# Altium PCB ESP32_Demo.PcbDoc (part 4 of 7)
Units mil, origin at the board's own origin, x right, y up, seen from the top; angles counter-clockwise.
Board outline 940.03 x 1085.03 mil, 4 copper layers (TOP1, GND02, MidLayer3, BOTTOM4); 39 components, 58 nets, 242 pads, 201 vias.
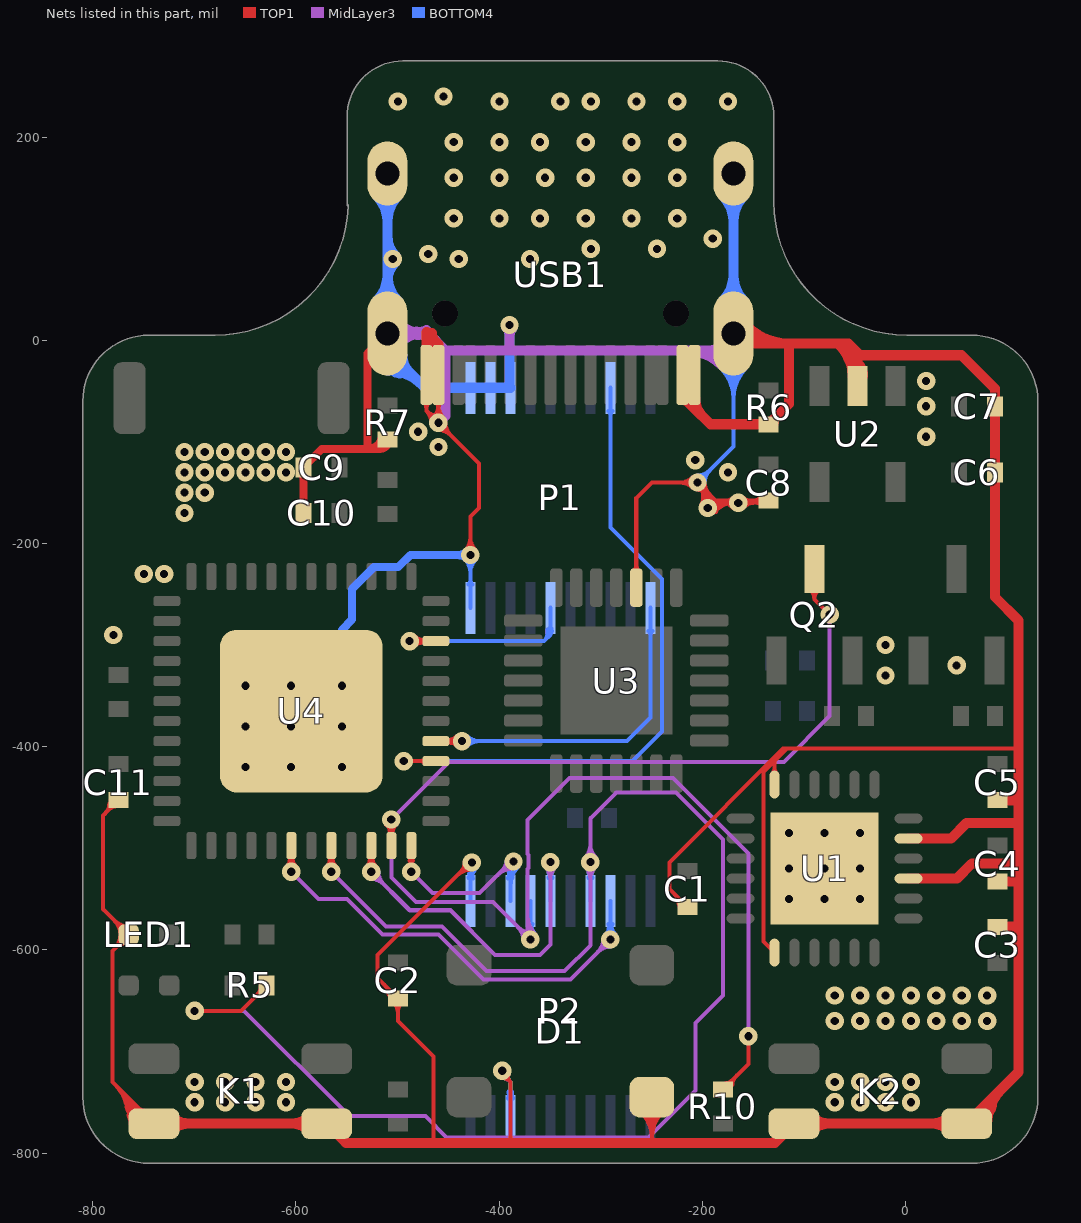
[diagram p6: the nets of this part, all layers, seen from the top]

## Via types
v1: diameter 18, hole 8, TOP1 to BOTTOM4, tented both sides, 201 vias

## Nets (pads, with @x,y where several pads share a name; then routed paths per layer and width w, separated by ;. In a path a pad name is that pad's centre, name@x,y a point inside that pad or via, vN(x,y) a via of type N, cw(c..) or ccw(c..) an arc to the next point about the centre after c; other vN are vias at no path point) (continued)
GND: (continued)
  MidLayer3 w8: v1(-649.77,-420) v1(-604.77,-420) v1(-554.77,-420) ; v1(-649.77,-380) v1(-604.77,-380) v1(-554.77,-380) ; v1(-649.77,-340) v1(-604.77,-340) v1(-554.77,-340) ; v1@-646.24,-423.54 cw(c-637.7,-432.07) -637.7,-420 cw(c-637.7,-407.93) v1@-646.24,-416.46 ; v1@-646.24,-383.54 cw(c-637.7,-392.07) -637.7,-380 cw(c-637.7,-367.93) v1@-646.24,-376.46 ; v1@-646.24,-343.54 cw(c-637.7,-352.07) -637.7,-340 cw(c-637.7,-327.93) v1@-646.24,-336.46 ; v1@-608.31,-423.54 ccw(c-616.84,-432.07) -616.84,-420 ccw(c-616.84,-407.93) v1@-608.31,-416.46 ; v1@-608.31,-383.54 ccw(c-616.84,-392.07) -616.84,-380 ccw(c-616.84,-367.93) v1@-608.31,-376.46 ; v1@-608.31,-343.54 ccw(c-616.84,-352.07) -616.84,-340 ccw(c-616.84,-327.93) v1@-608.31,-336.46 ; v1@-601.24,-423.54 cw(c-592.7,-432.07) -592.7,-420 cw(c-592.7,-407.93) v1@-601.24,-416.46 ; v1@-601.24,-383.54 cw(c-592.7,-392.07) -592.7,-380 cw(c-592.7,-367.93) v1@-601.24,-376.46 ; v1@-601.24,-343.54 cw(c-592.7,-352.07) -592.7,-340 cw(c-592.7,-327.93) v1@-601.24,-336.46 ; v1@-558.31,-423.54 ccw(c-566.84,-432.07) -566.84,-420 ccw(c-566.84,-407.93) v1@-558.31,-416.46 ; v1@-558.31,-383.54 ccw(c-566.84,-392.07) -566.84,-380 ccw(c-566.84,-367.93) v1@-558.31,-376.46 ; v1@-558.31,-343.54 ccw(c-566.84,-352.07) -566.84,-340 ccw(c-566.84,-327.93) v1@-558.31,-336.46
  MidLayer3 w10: USB1.4@-509.82,6.96 -469.86,6.96 -452.91,-10 ; v1@-462.68,-78.41 ccw(c-486.27,-54.81) -452.91,-54.81 ; v1(-459.85,-81.24) -452.91,-74.29 -452.91,-10 ; v1@-392.6,12.17 cw(c-399.43,5.34) -389.77,5.34 cw(c-380.12,5.34) v1@-386.94,12.17 ; v1(-389.77,15) -389.77,-10 ; USB1.3@-169.5,6.73 -186.23,-10 -389.77,-10 ; USB1.4@-499.66,-3.65 cw(c-474.06,-29.26) -474.06,6.96 ; USB1.4@-499.66,-3.65 cw(c-474.06,-29.26) -474.06,6.96 ; USB1.4@-499.66,-3.65 cw(c-474.06,-29.26) -474.06,6.96 ; USB1.4@-499.66,-3.65 cw(c-474.06,-29.26) -474.06,6.96 ; USB1.4@-499.66,-3.65 cw(c-474.06,-29.26) -474.06,6.96 ; USB1.4@-499.66,-3.65 cw(c-474.06,-29.26) -474.06,6.96 ; USB1.4@-499.66,17.12 ccw(c-475.13,41.65) -475.13,6.96 ; USB1.4@-499.66,17.12 ccw(c-475.13,41.65) -475.13,6.96 ; USB1.4@-499.66,17.12 ccw(c-475.13,41.65) -475.13,6.96 ; USB1.4@-499.66,17.12 ccw(c-475.13,41.65) -475.13,6.96 ; USB1.4@-499.66,17.12 ccw(c-475.13,41.65) -475.13,6.96 ; USB1.4@-499.66,17.12 ccw(c-475.13,41.65) -475.13,6.96 ; -481.56,8.68 ccw(c-478.17,21.34) -471.61,9.99 ; -481.56,8.68 ccw(c-478.17,21.34) -471.61,9.99 ; -481.56,8.68 ccw(c-478.17,21.34) -471.61,9.99 ; -481.56,8.68 ccw(c-478.17,21.34) -471.61,9.99 ; -481.56,8.68 ccw(c-478.17,21.34) -471.61,9.99 ; -481.56,8.68 ccw(c-478.17,21.34) -471.61,9.99 ; -480.84,5.14 cw(c-477.69,-6.6) -471.61,3.92 ; -480.84,5.14 cw(c-477.69,-6.6) -471.61,3.92 ; -480.84,5.14 cw(c-477.69,-6.6) -471.61,3.92 ; -480.84,5.14 cw(c-477.69,-6.6) -471.61,3.92 ; -480.84,5.14 cw(c-477.69,-6.6) -471.61,3.92 ; -480.84,5.14 cw(c-477.69,-6.6) -471.61,3.92 ; -452.91,-10 -389.77,-10 ; -216.83,-10 cw(c-216.83,-62.26) USB1.3@-179.88,-25.31 ; -216.83,-10 cw(c-216.83,-62.26) USB1.3@-179.88,-25.31 ; -216.83,-10 cw(c-216.83,-62.26) USB1.3@-179.88,-25.31 ; -216.83,-10 cw(c-216.83,-62.26) USB1.3@-179.88,-25.31 ; -216.83,-10 cw(c-216.83,-62.26) USB1.3@-179.88,-25.31 ; -216.83,-10 cw(c-216.83,-62.26) USB1.3@-179.88,-25.31 ; -193.07,-10 ccw(c-193.07,8.65) USB1.3@-179.88,-4.54 ; -193.07,-10 ccw(c-193.07,8.65) USB1.3@-179.88,-4.54 ; -193.07,-10 ccw(c-193.07,8.65) USB1.3@-179.88,-4.54 ; -193.07,-10 ccw(c-193.07,8.65) USB1.3@-179.88,-4.54 ; -193.07,-10 ccw(c-193.07,8.65) USB1.3@-179.88,-4.54 ; -193.07,-10 ccw(c-193.07,8.65) USB1.3@-179.88,-4.54 ; -192.69,-10 cw(c-192.69,-38.11) USB1.3@-172.81,-18.23 ; -192.69,-10 cw(c-192.69,-38.11) USB1.3@-172.81,-18.23 ; -192.69,-10 cw(c-192.69,-38.11) USB1.3@-172.81,-18.23 ; -192.69,-10 cw(c-192.69,-38.11) USB1.3@-172.81,-18.23 ; -192.69,-10 cw(c-192.69,-38.11) USB1.3@-172.81,-18.23 ; -192.69,-10 cw(c-192.69,-38.11) USB1.3@-172.81,-18.23
  BOTTOM4 w4: v1@-433.3,-216.37 cw(c-445.25,-228.32) -428.35,-228.32 cw(c-411.46,-228.32) v1@-423.41,-216.37 ; v1@-431.84,-518.89 cw(c-440.24,-527.29) P2.11@-428.36,-527.29 ; P2.11@-430.42,-529 ccw(c-435.41,-524.01) -428.36,-524.01 ccw(c-421.3,-524.01) P2.11@-426.29,-529 ; P2.11@-428.36,-551.73 -428.36,-513.64 -428.05,-513.94 v1(-426.89,-513.94) ; P2.11@-428.36,-534.39 cw(c-406.44,-534.39) v1@-421.94,-518.89 ; -428.36,-524.73 cw(c-416.1,-524.73) v1@-424.76,-516.06 ; P1.10@-428.35,-263.27 v1(-428.35,-211.42) ; P2.11@-426.24,-526.48 ccw(c-422.26,-527.55) P2.11@-425.83,-529.6 ; v1@-397,-726 cw(c-397,-735.27) -390.45,-728.71 ; v1(-397,-719) -397,-722.16 -388.98,-730.18 ; -390.76,-740.44 cw(c-398.02,-742.38) P2.8@-391.51,-746.14 ; -390.6,-741.07 ccw(c-384.23,-739.36) P2.8@-387.52,-745.07 ; v1@-390.58,-721.79 ccw(c-383.62,-724.81) -388.99,-730.18 ; P2.8@-388.98,-768.27 -388.98,-730.18 ; -387.37,-741.07 cw(c-393.74,-739.36) P2.8@-390.45,-745.07 ; -387.21,-740.44 ccw(c-379.95,-742.38) P2.8@-386.45,-746.14 ; v1(-204.77,-140) -169.5,-104.72 USB1.3@-169.5,6.73 ; v1@-204.77,-133 ccw(c-204.77,-116.1) -192.82,-128.05 ccw(c-180.87,-140) v1@-197.77,-140 ; P1.10@-430.42,-240.53 ccw(c-435.41,-235.55) -428.35,-235.55 ; P1.10@-430.42,-240.53 ccw(c-435.41,-235.55) -428.35,-235.55 ; P1.10@-430.42,-240.53 ccw(c-435.41,-235.55) -428.35,-235.55 ; P1.10@-430.42,-240.53 ccw(c-435.41,-235.55) -428.35,-235.55 ; P1.10@-430.42,-240.53 ccw(c-435.41,-235.55) -428.35,-235.55 ; P1.10@-430.42,-240.53 ccw(c-435.41,-235.55) -428.35,-235.55 ; P2.11@-429.82,-528.53 ccw(c-432.58,-523.75) -427.24,-525.18 ; P2.11@-429.82,-528.53 ccw(c-432.58,-523.75) -427.24,-525.18 ; P2.11@-429.82,-528.53 ccw(c-432.58,-523.75) -427.24,-525.18 ; P2.11@-429.82,-528.53 ccw(c-432.58,-523.75) -427.24,-525.18 ; P2.11@-429.82,-528.53 ccw(c-432.58,-523.75) -427.24,-525.18 ; P2.11@-429.82,-528.53 ccw(c-432.58,-523.75) -427.24,-525.18 ; P2.11@-429.82,-528.53 ccw(c-432.58,-523.75) -427.24,-525.18 ; P2.11@-429.82,-528.53 ccw(c-432.58,-523.75) -427.24,-525.18 ; P2.11@-429.82,-528.53 ccw(c-432.58,-523.75) -427.24,-525.18 ; -429.47,-525.18 ccw(c-424.13,-523.75) P2.11@-426.89,-528.53 ; -429.47,-525.18 ccw(c-424.13,-523.75) P2.11@-426.89,-528.53 ; -429.47,-525.18 ccw(c-424.13,-523.75) P2.11@-426.89,-528.53 ; -429.47,-525.18 ccw(c-424.13,-523.75) P2.11@-426.89,-528.53 ; -429.47,-525.18 ccw(c-424.13,-523.75) P2.11@-426.89,-528.53 ; -429.47,-525.18 ccw(c-424.13,-523.75) P2.11@-426.89,-528.53 ; -429.47,-525.18 ccw(c-424.13,-523.75) P2.11@-426.89,-528.53 ; -429.47,-525.18 ccw(c-424.13,-523.75) P2.11@-426.89,-528.53 ; -429.47,-525.18 ccw(c-424.13,-523.75) P2.11@-426.89,-528.53 ; -428.35,-235.55 ccw(c-421.3,-235.55) P1.10@-426.29,-240.53 ; -428.35,-235.55 ccw(c-421.3,-235.55) P1.10@-426.29,-240.53 ; -428.35,-235.55 ccw(c-421.3,-235.55) P1.10@-426.29,-240.53 ; -428.35,-235.55 ccw(c-421.3,-235.55) P1.10@-426.29,-240.53 ; -428.35,-235.55 ccw(c-421.3,-235.55) P1.10@-426.29,-240.53 ; -428.35,-235.55 ccw(c-421.3,-235.55) P1.10@-426.29,-240.53 ; P2.8@-391.51,-746.14 ccw(c-398.95,-741.85) -390.66,-739.63 ; P2.8@-391.51,-746.14 ccw(c-398.95,-741.85) -390.66,-739.63 ; P2.8@-391.51,-746.14 ccw(c-398.95,-741.85) -390.66,-739.63 ; P2.8@-391.51,-746.14 ccw(c-398.95,-741.85) -390.66,-739.63 ; P2.8@-391.51,-746.14 ccw(c-398.95,-741.85) -390.66,-739.63 ; P2.8@-391.51,-746.14 ccw(c-398.95,-741.85) -390.66,-739.63 ; P2.8@-391.51,-746.14 ccw(c-398.95,-741.85) -390.66,-739.63 ; P2.8@-391.05,-745.53 ccw(c-396.04,-740.55) -388.98,-740.55 ; P2.8@-391.05,-745.53 ccw(c-396.04,-740.55) -388.98,-740.55 ; P2.8@-391.05,-745.53 ccw(c-396.04,-740.55) -388.98,-740.55 ; P2.8@-391.05,-745.53 ccw(c-396.04,-740.55) -388.98,-740.55 ; P2.8@-391.05,-745.53 ccw(c-396.04,-740.55) -388.98,-740.55 ; P2.8@-391.05,-745.53 ccw(c-396.04,-740.55) -388.98,-740.55 ; P2.8@-390.45,-745.07 ccw(c-393.21,-740.28) -387.87,-741.71 ; P2.8@-390.45,-745.07 ccw(c-393.21,-740.28) -387.87,-741.71 ; P2.8@-390.45,-745.07 ccw(c-393.21,-740.28) -387.87,-741.71 ; P2.8@-390.45,-745.07 ccw(c-393.21,-740.28) -387.87,-741.71 ; P2.8@-390.45,-745.07 ccw(c-393.21,-740.28) -387.87,-741.71 ; P2.8@-390.45,-745.07 ccw(c-393.21,-740.28) -387.87,-741.71 ; P2.8@-390.45,-745.07 ccw(c-393.21,-740.28) -387.87,-741.71 ; P2.8@-390.45,-745.07 ccw(c-393.21,-740.28) -387.87,-741.71 ; P2.8@-390.45,-745.07 ccw(c-393.21,-740.28) -387.87,-741.71 ; -390.1,-741.71 ccw(c-384.76,-740.28) P2.8@-387.52,-745.07 ; -390.1,-741.71 ccw(c-384.76,-740.28) P2.8@-387.52,-745.07 ; -390.1,-741.71 ccw(c-384.76,-740.28) P2.8@-387.52,-745.07 ; -390.1,-741.71 ccw(c-384.76,-740.28) P2.8@-387.52,-745.07 ; -390.1,-741.71 ccw(c-384.76,-740.28) P2.8@-387.52,-745.07 ; -390.1,-741.71 ccw(c-384.76,-740.28) P2.8@-387.52,-745.07 ; -390.1,-741.71 ccw(c-384.76,-740.28) P2.8@-387.52,-745.07 ; -390.1,-741.71 ccw(c-384.76,-740.28) P2.8@-387.52,-745.07 ; -388.98,-740.55 ccw(c-381.93,-740.55) P2.8@-386.92,-745.53 ; -388.98,-740.55 ccw(c-381.93,-740.55) P2.8@-386.92,-745.53 ; -388.98,-740.55 ccw(c-381.93,-740.55) P2.8@-386.92,-745.53 ; -388.98,-740.55 ccw(c-381.93,-740.55) P2.8@-386.92,-745.53 ; -388.98,-740.55 ccw(c-381.93,-740.55) P2.8@-386.92,-745.53 ; -388.98,-740.55 ccw(c-381.93,-740.55) P2.8@-386.92,-745.53 ; -387.31,-739.63 ccw(c-379.02,-741.85) P2.8@-386.45,-746.14 ; -387.31,-739.63 ccw(c-379.02,-741.85) P2.8@-386.45,-746.14 ; -387.31,-739.63 ccw(c-379.02,-741.85) P2.8@-386.45,-746.14 ; -387.31,-739.63 ccw(c-379.02,-741.85) P2.8@-386.45,-746.14 ; -387.31,-739.63 ccw(c-379.02,-741.85) P2.8@-386.45,-746.14 ; -387.31,-739.63 ccw(c-379.02,-741.85) P2.8@-386.45,-746.14 ; -387.31,-739.63 ccw(c-379.02,-741.85) P2.8@-386.45,-746.14 ; -387.31,-739.63 ccw(c-379.02,-741.85) P2.8@-386.45,-746.14 ; -387.31,-739.63 ccw(c-379.02,-741.85) P2.8@-386.45,-746.14 ; USB1.3@-182,-27.43 cw(c-212.19,-57.62) -169.5,-57.62 ; USB1.3@-182,-27.43 cw(c-212.19,-57.62) -169.5,-57.62 ; USB1.3@-182,-27.43 cw(c-212.19,-57.62) -169.5,-57.62 ; USB1.3@-182,-27.43 cw(c-212.19,-57.62) -169.5,-57.62 ; USB1.3@-182,-27.43 cw(c-212.19,-57.62) -169.5,-57.62 ; USB1.3@-182,-27.43 cw(c-212.19,-57.62) -169.5,-57.62 ; USB1.3@-179.17,-24.6 cw(c-202.54,-47.96) -169.5,-47.96 ; USB1.3@-179.17,-24.6 cw(c-202.54,-47.96) -169.5,-47.96 ; USB1.3@-179.17,-24.6 cw(c-202.54,-47.96) -169.5,-47.96 ; USB1.3@-179.17,-24.6 cw(c-202.54,-47.96) -169.5,-47.96 ; USB1.3@-179.17,-24.6 cw(c-202.54,-47.96) -169.5,-47.96 ; USB1.3@-179.17,-24.6 cw(c-202.54,-47.96) -169.5,-47.96 ; USB1.3@-176.35,-21.77 cw(c-192.88,-38.3) -169.5,-38.3 ; USB1.3@-176.35,-21.77 cw(c-192.88,-38.3) -169.5,-38.3 ; USB1.3@-176.35,-21.77 cw(c-192.88,-38.3) -169.5,-38.3 ; USB1.3@-176.35,-21.77 cw(c-192.88,-38.3) -169.5,-38.3 ; USB1.3@-176.35,-21.77 cw(c-192.88,-38.3) -169.5,-38.3 ; USB1.3@-176.35,-21.77 cw(c-192.88,-38.3) -169.5,-38.3 ; -169.5,-57.62 cw(c-126.8,-57.62) USB1.3@-156.99,-27.43 ; -169.5,-57.62 cw(c-126.8,-57.62) USB1.3@-156.99,-27.43 ; -169.5,-57.62 cw(c-126.8,-57.62) USB1.3@-156.99,-27.43 ; -169.5,-57.62 cw(c-126.8,-57.62) USB1.3@-156.99,-27.43 ; -169.5,-57.62 cw(c-126.8,-57.62) USB1.3@-156.99,-27.43 ; -169.5,-57.62 cw(c-126.8,-57.62) USB1.3@-156.99,-27.43 ; -169.5,-47.96 cw(c-136.46,-47.96) USB1.3@-159.82,-24.6 ; -169.5,-47.96 cw(c-136.46,-47.96) USB1.3@-159.82,-24.6 ; -169.5,-47.96 cw(c-136.46,-47.96) USB1.3@-159.82,-24.6 ; -169.5,-47.96 cw(c-136.46,-47.96) USB1.3@-159.82,-24.6 ; -169.5,-47.96 cw(c-136.46,-47.96) USB1.3@-159.82,-24.6 ; -169.5,-47.96 cw(c-136.46,-47.96) USB1.3@-159.82,-24.6 ; -169.5,-38.3 cw(c-146.12,-38.3) USB1.3@-162.65,-21.77 ; -169.5,-38.3 cw(c-146.12,-38.3) USB1.3@-162.65,-21.77 ; -169.5,-38.3 cw(c-146.12,-38.3) USB1.3@-162.65,-21.77 ; -169.5,-38.3 cw(c-146.12,-38.3) USB1.3@-162.65,-21.77 ; -169.5,-38.3 cw(c-146.12,-38.3) USB1.3@-162.65,-21.77 ; -169.5,-38.3 cw(c-146.12,-38.3) USB1.3@-162.65,-21.77
  BOTTOM4 w8: v1@-558.31,-416.46 ccw(c-566.84,-407.93) -554.77,-407.93 ccw(c-542.7,-407.93) v1@-551.24,-416.46 ; v1@-558.31,-383.54 cw(c-566.84,-392.07) -554.77,-392.07 cw(c-542.7,-392.07) v1@-551.24,-383.54 ; v1@-558.31,-376.46 ccw(c-566.84,-367.93) -554.77,-367.93 ccw(c-542.7,-367.93) v1@-551.24,-376.46 ; v1@-558.31,-343.54 cw(c-566.84,-352.07) -554.77,-352.07 cw(c-542.7,-352.07) v1@-551.24,-343.54 ; v1@-558.31,-336.46 ccw(c-566.84,-327.93) -554.77,-327.93 ccw(c-542.7,-327.93) v1@-551.24,-336.46 ; v1(-554.77,-420) v1(-554.77,-380) v1(-554.77,-340) -554.77,-285 -544.77,-275 -544.77,-245 -523.1,-223.33 -499.36,-223.33 -487.44,-211.42 v1(-428.35,-211.42) ; v1@-431.89,-214.95 ccw(c-440.43,-223.49) -440.43,-211.42 ccw(c-440.43,-199.35) v1@-431.89,-207.88
  BOTTOM4 w10: -510.05,57.61 cw(c-482.38,57.61) v1@-501.94,77.17 ; -510.05,102.39 ccw(c-482.38,102.39) v1@-501.94,82.83 ; USB1.1@-510.05,164.21 USB1.4@-510.05,6.73 -510.05,-9.72 -473.04,-46.73 P1.11@-428.36,-46.73 P1.12@-408.67,-46.73 P1.13@-388.98,-46.73 -389.77,-45.94 v1(-389.77,15) ; v1@-392.6,12.17 cw(c-399.43,5.34) -389.77,5.34 cw(c-380.12,5.34) v1@-386.94,12.17 ; USB1.3@-169.5,6.73 USB1.2@-169.5,164.21 ; USB1.4@-520.43,38.77 ccw(c-545.5,63.84) -510.05,63.84 ; USB1.4@-520.43,38.77 ccw(c-545.5,63.84) -510.05,63.84 ; USB1.4@-520.43,38.77 ccw(c-545.5,63.84) -510.05,63.84 ; USB1.4@-520.43,38.77 ccw(c-545.5,63.84) -510.05,63.84 ; USB1.4@-520.43,38.77 ccw(c-545.5,63.84) -510.05,63.84 ; USB1.4@-520.43,38.77 ccw(c-545.5,63.84) -510.05,63.84 ; USB1.1@-520.43,142.02 cw(c-545.5,116.95) -510.05,116.95 ; USB1.1@-520.43,142.02 cw(c-545.5,116.95) -510.05,116.95 ; USB1.1@-520.43,142.02 cw(c-545.5,116.95) -510.05,116.95 ; USB1.1@-520.43,142.02 cw(c-545.5,116.95) -510.05,116.95 ; USB1.1@-520.43,142.02 cw(c-545.5,116.95) -510.05,116.95 ; USB1.1@-520.43,142.02 cw(c-545.5,116.95) -510.05,116.95 ; USB1.4@-515.1,-16.57 ccw(c-491.5,-8.88) -497.93,-32.85 ; USB1.4@-515.1,-16.57 ccw(c-491.5,-8.88) -497.93,-32.85 ; USB1.4@-515.1,-16.57 ccw(c-491.5,-8.88) -497.93,-32.85 ; USB1.4@-515.1,-16.57 ccw(c-491.5,-8.88) -497.93,-32.85 ; USB1.4@-515.1,-16.57 ccw(c-491.5,-8.88) -497.93,-32.85 ; USB1.4@-515.1,-16.57 ccw(c-491.5,-8.88) -497.93,-32.85 ; USB1.4@-515.1,-16.57 ccw(c-491.5,-8.88) -497.93,-32.85 ; USB1.4@-515.1,-16.57 ccw(c-491.5,-8.88) -497.93,-32.85 ; USB1.4@-515.1,-16.57 ccw(c-491.5,-8.88) -497.93,-32.85 ; USB1.4@-515.1,-16.57 ccw(c-491.5,-8.88) -497.93,-32.85 ; USB1.4@-515.1,-16.57 ccw(c-491.5,-8.88) -497.93,-32.85 ; USB1.4@-515.1,-16.57 ccw(c-491.5,-8.88) -497.93,-32.85 ; USB1.4@-515.1,-16.57 ccw(c-491.5,-8.88) -497.93,-32.85 ; USB1.4@-515.1,-16.57 ccw(c-491.5,-8.88) -497.93,-32.85 ; USB1.4@-515.1,-16.57 ccw(c-491.5,-8.88) -497.93,-32.85 ; USB1.4@-510.05,-29.61 cw(c-510.05,-77.61) -476.11,-43.66 ; USB1.4@-510.05,-29.61 cw(c-510.05,-77.61) -476.11,-43.66 ; USB1.4@-510.05,-29.61 cw(c-510.05,-77.61) -476.11,-43.66 ; USB1.4@-510.05,-29.61 cw(c-510.05,-77.61) -476.11,-43.66 ; USB1.4@-510.05,-29.61 cw(c-510.05,-77.61) -476.11,-43.66 ; USB1.4@-510.05,-29.61 cw(c-510.05,-77.61) -476.11,-43.66 ; USB1.4@-510.05,-19.61 cw(c-510.05,-43.46) -493.18,-26.59 ; USB1.4@-510.05,-19.61 cw(c-510.05,-43.46) -493.18,-26.59 ; USB1.4@-510.05,-19.61 cw(c-510.05,-43.46) -493.18,-26.59 ; USB1.4@-510.05,-19.61 cw(c-510.05,-43.46) -493.18,-26.59 ; USB1.4@-510.05,-19.61 cw(c-510.05,-43.46) -493.18,-26.59 ; USB1.4@-510.05,-19.61 cw(c-510.05,-43.46) -493.18,-26.59 ; -510.05,63.84 ccw(c-474.6,63.84) USB1.4@-499.66,38.77 ; -510.05,63.84 ccw(c-474.6,63.84) USB1.4@-499.66,38.77 ; -510.05,63.84 ccw(c-474.6,63.84) USB1.4@-499.66,38.77 ; -510.05,63.84 ccw(c-474.6,63.84) USB1.4@-499.66,38.77 ; -510.05,63.84 ccw(c-474.6,63.84) USB1.4@-499.66,38.77 ; -510.05,63.84 ccw(c-474.6,63.84) USB1.4@-499.66,38.77 ; -510.05,116.95 cw(c-474.6,116.95) USB1.1@-499.66,142.02 ; -510.05,116.95 cw(c-474.6,116.95) USB1.1@-499.66,142.02 ; -510.05,116.95 cw(c-474.6,116.95) USB1.1@-499.66,142.02 ; -510.05,116.95 cw(c-474.6,116.95) USB1.1@-499.66,142.02 ; -510.05,116.95 cw(c-474.6,116.95) USB1.1@-499.66,142.02 ; -510.05,116.95 cw(c-474.6,116.95) USB1.1@-499.66,142.02 ; USB1.4@-495.36,-14.92 ccw(c-472.46,-14.92) -488.65,-31.12 ; USB1.4@-495.36,-14.92 ccw(c-472.46,-14.92) -488.65,-31.12 ; USB1.4@-495.36,-14.92 ccw(c-472.46,-14.92) -488.65,-31.12 ; USB1.4@-495.36,-14.92 ccw(c-472.46,-14.92) -488.65,-31.12 ; USB1.4@-495.36,-14.92 ccw(c-472.46,-14.92) -488.65,-31.12 ; USB1.4@-495.36,-14.92 ccw(c-472.46,-14.92) -488.65,-31.12 ; USB1.3@-179.88,38.77 ccw(c-204.95,63.84) -169.5,63.84 ; USB1.3@-179.88,38.77 ccw(c-204.95,63.84) -169.5,63.84 ; USB1.3@-179.88,38.77 ccw(c-204.95,63.84) -169.5,63.84 ; USB1.3@-179.88,38.77 ccw(c-204.95,63.84) -169.5,63.84 ; USB1.3@-179.88,38.77 ccw(c-204.95,63.84) -169.5,63.84 ; USB1.3@-179.88,38.77 ccw(c-204.95,63.84) -169.5,63.84 ; USB1.2@-179.88,142.02 cw(c-204.95,116.95) -169.5,116.95 ; USB1.2@-179.88,142.02 cw(c-204.95,116.95) -169.5,116.95 ; USB1.2@-179.88,142.02 cw(c-204.95,116.95) -169.5,116.95 ; USB1.2@-179.88,142.02 cw(c-204.95,116.95) -169.5,116.95 ; USB1.2@-179.88,142.02 cw(c-204.95,116.95) -169.5,116.95 ; USB1.2@-179.88,142.02 cw(c-204.95,116.95) -169.5,116.95 ; -169.5,63.84 ccw(c-134.04,63.84) USB1.3@-159.11,38.77 ; -169.5,63.84 ccw(c-134.04,63.84) USB1.3@-159.11,38.77 ; -169.5,63.84 ccw(c-134.04,63.84) USB1.3@-159.11,38.77 ; -169.5,63.84 ccw(c-134.04,63.84) USB1.3@-159.11,38.77 ; -169.5,63.84 ccw(c-134.04,63.84) USB1.3@-159.11,38.77 ; -169.5,63.84 ccw(c-134.04,63.84) USB1.3@-159.11,38.77 ; -169.5,116.95 cw(c-134.04,116.95) USB1.2@-159.11,142.02 ; -169.5,116.95 cw(c-134.04,116.95) USB1.2@-159.11,142.02 ; -169.5,116.95 cw(c-134.04,116.95) USB1.2@-159.11,142.02 ; -169.5,116.95 cw(c-134.04,116.95) USB1.2@-159.11,142.02 ; -169.5,116.95 cw(c-134.04,116.95) USB1.2@-159.11,142.02 ; -169.5,116.95 cw(c-134.04,116.95) USB1.2@-159.11,142.02
  other v1: -699.77,-750 -669.77,-750 -639.77,-750 -609.77,-750 -69.77,-750 -44.77,-750 -19.77,-750 5.23,-750 -699.77,-730 -669.77,-730 -639.77,-730 -609.77,-730 -69.77,-730 -44.77,-730 -19.77,-730 5.23,-730 -69.77,-670 -44.77,-670 -19.77,-670 5.23,-670 30.23,-670 55.23,-670 80.23,-670 -69.77,-645 -44.77,-645 -19.77,-645 5.23,-645 30.23,-645 55.23,-645 80.23,-645 -114.77,-550 -79.77,-550 -44.77,-550 -114.77,-520 -79.77,-520 -44.77,-520 -114.77,-485 -79.77,-485 -44.77,-485 -19.77,-330 50.23,-320 -19.77,-300 -779.77,-290 -749.77,-230 -729.77,-230 -709.77,-170 -194.77,-165 -164.77,-160 -709.77,-150 -689.77,-150 -709.77,-130 -689.77,-130 -669.77,-130 -649.77,-130 -629.77,-130 -609.77,-130 -174.77,-130 -207,-118 -709.77,-110 -689.77,-110 -669.77,-110 -649.77,-110 -629.77,-110 -609.77,-110 -459.77,-105 20.23,-95 -479.77,-90 20.23,-65 20.23,-40 -504.77,80 -439.77,80 -369.77,80 -469.77,85 -309.77,90 -244.77,90 -189.77,100 -444.77,120 -399.77,120 -359.77,120 -314.77,120 -269.77,120 -224.77,120 -444.77,160 -399.77,160 -354.77,160 -314.77,160 -269.77,160 -224.77,160 -444.77,195 -399.77,195 -359.77,195 -314.77,195 -269.77,195 -224.77,195 -499.77,235 -399.77,235 -339.77,235 -309.77,235 -264.77,235 -224.77,235 -174.77,235 -454.77,240
GPIO0: P2.14 Q2.3 R10.2 U4.23 | length 2108.2
  TOP1 w4: v1@-511.14,-476.54 cw(c-523.09,-488.49) -506.19,-488.49 cw(c-489.29,-488.49) v1@-501.24,-476.54 ; U4.23@-508.26,-486.95 ccw(c-513.24,-481.96) -506.19,-481.96 ccw(c-499.14,-481.96) U4.23@-504.12,-486.95 ; -507.8,-482.48 ccw(c-501.43,-480.78) U4.23@-504.73,-486.49 ; U4.23@-506.19,-497.38 v1(-506.19,-471.59) ; -504.58,-482.48 cw(c-510.95,-480.78) U4.23@-507.65,-486.49 ; R10.2@-179.77,-737.29 -154.77,-712.29 v1(-154.77,-685) ; Q2.3@-89.77,-225 -89.77,-255 ; v1(-74.77,-270) -89.77,-255 ; U4.23@-507.65,-486.49 ccw(c-510.41,-481.7) -505.08,-483.13 ; U4.23@-507.65,-486.49 ccw(c-510.41,-481.7) -505.08,-483.13 ; U4.23@-507.65,-486.49 ccw(c-510.41,-481.7) -505.08,-483.13 ; U4.23@-507.65,-486.49 ccw(c-510.41,-481.7) -505.08,-483.13 ; U4.23@-507.65,-486.49 ccw(c-510.41,-481.7) -505.08,-483.13 ; U4.23@-507.65,-486.49 ccw(c-510.41,-481.7) -505.08,-483.13 ; U4.23@-507.65,-486.49 ccw(c-510.41,-481.7) -505.08,-483.13 ; U4.23@-507.65,-486.49 ccw(c-510.41,-481.7) -505.08,-483.13 ; U4.23@-507.65,-486.49 ccw(c-510.41,-481.7) -505.08,-483.13 ; -507.3,-483.13 ccw(c-501.97,-481.7) U4.23@-504.73,-486.49 ; -507.3,-483.13 ccw(c-501.97,-481.7) U4.23@-504.73,-486.49 ; -507.3,-483.13 ccw(c-501.97,-481.7) U4.23@-504.73,-486.49 ; -507.3,-483.13 ccw(c-501.97,-481.7) U4.23@-504.73,-486.49 ; -507.3,-483.13 ccw(c-501.97,-481.7) U4.23@-504.73,-486.49 ; -507.3,-483.13 ccw(c-501.97,-481.7) U4.23@-504.73,-486.49 ; -507.3,-483.13 ccw(c-501.97,-481.7) U4.23@-504.73,-486.49 ; -507.3,-483.13 ccw(c-501.97,-481.7) U4.23@-504.73,-486.49 ; -507.3,-483.13 ccw(c-501.97,-481.7) U4.23@-504.73,-486.49 ; R10.2@-177.8,-731.41 ccw(c-177.8,-721.98) -171.13,-728.65 ; R10.2@-177.8,-731.41 ccw(c-177.8,-721.98) -171.13,-728.65 ; R10.2@-177.8,-731.41 ccw(c-177.8,-721.98) -171.13,-728.65 ; R10.2@-177.15,-739.31 ccw(c-180.15,-729.93) R10.2@-170.64,-732.48 ; R10.2@-177.15,-739.31 ccw(c-180.15,-729.93) R10.2@-170.64,-732.48 ; R10.2@-177.15,-739.31 ccw(c-180.15,-729.93) R10.2@-170.64,-732.48 ; R10.2@-175.93,-737.29 cw(c-166.65,-737.29) R10.2@-173.21,-730.73 ; R10.2@-175.93,-737.29 cw(c-166.65,-737.29) R10.2@-173.21,-730.73 ; R10.2@-175.93,-737.29 cw(c-166.65,-737.29) R10.2@-173.21,-730.73 ; R10.2@-171.93,-737.29 cw(c-152.99,-737.29) -166.38,-723.9 ; R10.2@-171.93,-737.29 cw(c-152.99,-737.29) -166.38,-723.9 ; R10.2@-171.93,-737.29 cw(c-152.99,-737.29) -166.38,-723.9 ; Q2.3@-94.64,-244.93 cw(c-102.62,-255) -89.77,-255 ; Q2.3@-94.64,-244.93 cw(c-102.62,-255) -89.77,-255 ; Q2.3@-94.64,-244.93 cw(c-102.62,-255) -89.77,-255 ; Q2.3@-94.64,-244.93 cw(c-102.62,-255) -89.77,-255 ; Q2.3@-94.64,-244.93 cw(c-102.62,-255) -89.77,-255 ; Q2.3@-94.64,-244.93 cw(c-102.62,-255) -89.77,-255 ; -89.77,-255 cw(c-76.92,-255) Q2.3@-84.9,-244.93 ; -89.77,-255 cw(c-76.92,-255) Q2.3@-84.9,-244.93 ; -89.77,-255 cw(c-76.92,-255) Q2.3@-84.9,-244.93 ; -89.77,-255 cw(c-76.92,-255) Q2.3@-84.9,-244.93 ; -89.77,-255 cw(c-76.92,-255) Q2.3@-84.9,-244.93 ; -89.77,-255 cw(c-76.92,-255) Q2.3@-84.9,-244.93
  MidLayer3 w4: v1@-376.3,-589.82 ccw(c-393.2,-589.82) -381.25,-577.87 ccw(c-369.3,-565.92) v1@-369.3,-582.82 ; v1@-374.25,-584.87 ccw(c-379.68,-579.44) -372,-579.44 ; v1@-373.79,-584.45 ccw(c-376.99,-580.62) -372,-580.62 ; -372,-576.06 ccw(c-355.54,-576.06) v1@-367.18,-587.7 ; -372,-566.4 ccw(c-345.88,-566.4) v1@-364.35,-584.87 ; v1(-369.3,-589.82) -406.12,-553 -481.77,-553 -506.19,-528.58 v1(-506.19,-471.59) -449.6,-415 -119.77,-415 -74.77,-370 v1(-74.77,-270) ; v1@-369.3,-583.32 -372,-580.62 ; v1(-154.77,-685) -154.77,-505 -228.77,-431 -330.77,-431 -372,-472.23 -372,-505.79 -371,-506.79 -371,-519.21 -372,-520.21 -372,-580.62
  BOTTOM4 w4: v1@-374.25,-584.87 ccw(c-386.2,-572.92) -369.3,-572.92 ccw(c-352.4,-572.92) v1@-364.35,-584.87 ; P2.14@-371.37,-574.47 cw(c-376.35,-579.45) -369.3,-579.45 cw(c-362.25,-579.45) P2.14@-367.23,-574.47 ; -370.91,-578.93 cw(c-364.54,-580.64) P2.14@-367.84,-574.93 ; v1(-369.3,-589.82) P2.14@-369.3,-551.73 ; -367.69,-578.93 ccw(c-374.06,-580.64) P2.14@-370.76,-574.93 ; P2.14@-370.76,-574.93 cw(c-373.52,-579.72) -368.19,-578.29 ; P2.14@-370.76,-574.93 cw(c-373.52,-579.72) -368.19,-578.29 ; P2.14@-370.76,-574.93 cw(c-373.52,-579.72) -368.19,-578.29 ; P2.14@-370.76,-574.93 cw(c-373.52,-579.72) -368.19,-578.29 ; P2.14@-370.76,-574.93 cw(c-373.52,-579.72) -368.19,-578.29 ; P2.14@-370.76,-574.93 cw(c-373.52,-579.72) -368.19,-578.29 ; P2.14@-370.76,-574.93 cw(c-373.52,-579.72) -368.19,-578.29 ; P2.14@-370.76,-574.93 cw(c-373.52,-579.72) -368.19,-578.29 ; P2.14@-370.76,-574.93 cw(c-373.52,-579.72) -368.19,-578.29 ; -370.41,-578.29 cw(c-365.08,-579.72) P2.14@-367.84,-574.93 ; -370.41,-578.29 cw(c-365.08,-579.72) P2.14@-367.84,-574.93 ; -370.41,-578.29 cw(c-365.08,-579.72) P2.14@-367.84,-574.93 ; -370.41,-578.29 cw(c-365.08,-579.72) P2.14@-367.84,-574.93 ; -370.41,-578.29 cw(c-365.08,-579.72) P2.14@-367.84,-574.93 ; -370.41,-578.29 cw(c-365.08,-579.72) P2.14@-367.84,-574.93 ; -370.41,-578.29 cw(c-365.08,-579.72) P2.14@-367.84,-574.93 ; -370.41,-578.29 cw(c-365.08,-579.72) P2.14@-367.84,-574.93 ; -370.41,-578.29 cw(c-365.08,-579.72) P2.14@-367.84,-574.93